# Allegro board C000PD020-3399PRO-DMEB-A-A01.brd (continued)
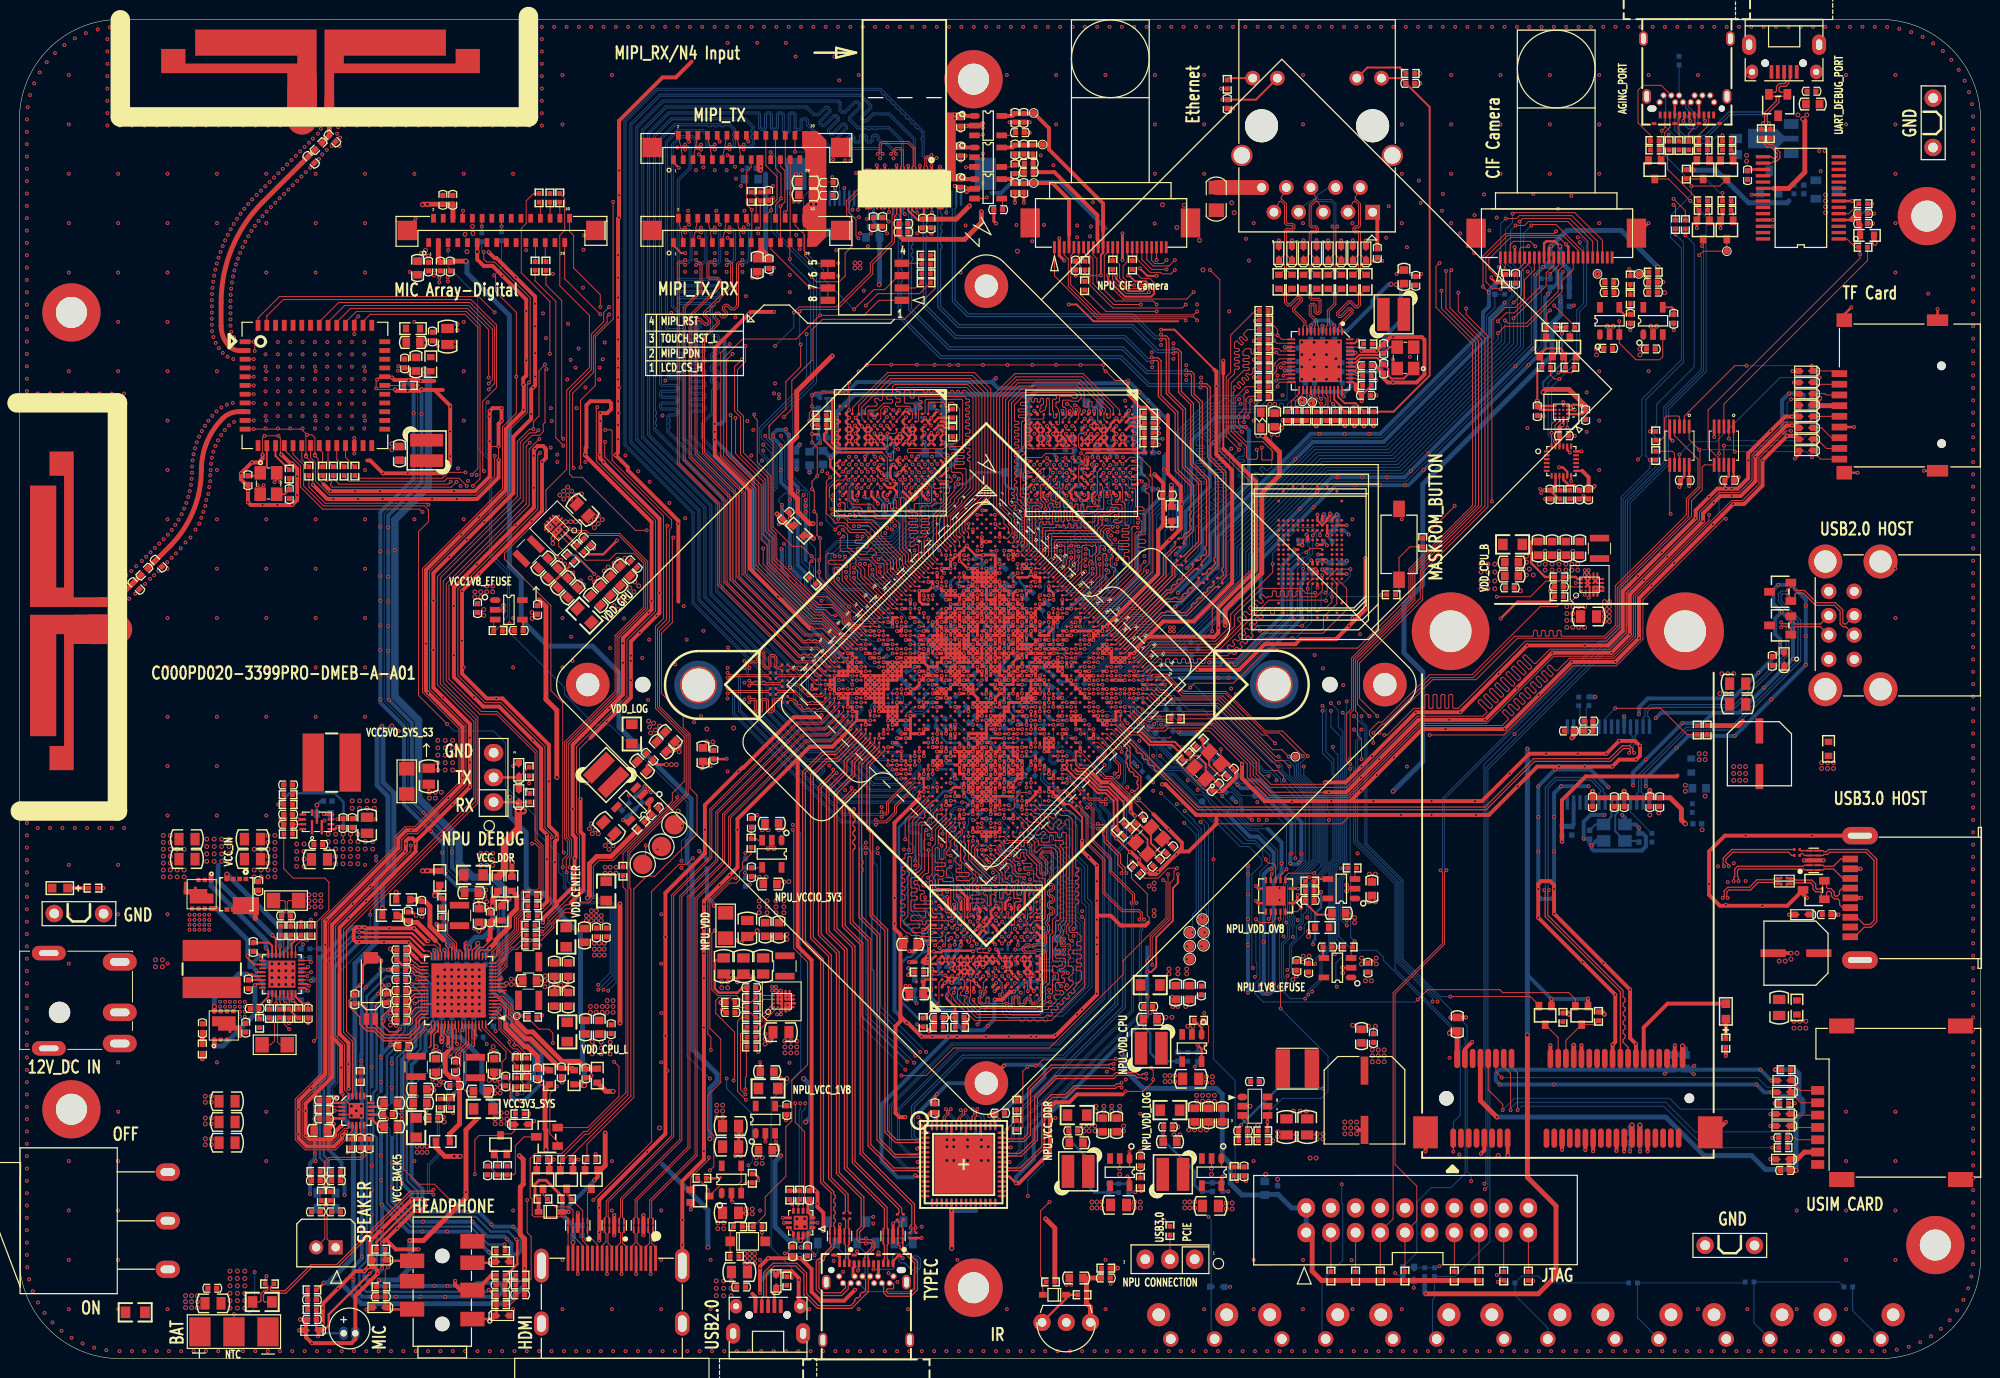
[diagram p0: board, top side]
## Placement (name value [footprint] x y rotation side) (continued)
C2201  22uF  [C0603]  159.13 83.37 270 top
C2202  22uF  [C0603]  156.29 83.37 270 top
C2203  10uF  [C0805]  57.94 87.34 315 top
C2204  22uF  [C0603]  55.91 79.83 45 top
C2205  22uF  [C0603]  56.92 78.82 45 top
C2206  100nF  [C0402]  158.42 79.41 180 top
C2207  22uF  [C0603]  157.71 83.37 270 top
C2208  22uF  [C0603]  160.55 83.37 270 top
C2209  100nF  [C0402]  58.43 84.07 315 top
C2210  22uF  [C0603]  54.91 80.84 45 top
C2211  22uF  [C0603]  53.9 81.84 45 top
C2212  10uF  [C0805]  120.53 28.79 0 top
C2213  22pF  [C0402]  119.2 31.05 90 bottom
C2214  22uF  [C0603]  116.36 34.91 0 top
C2215  100nF  [C0402]  116.15 36.23 0 top
C2216  22uF  [C0603]  120.4 37.68 270 top
C2217  10uF  [C0603]  118.98 37.68 270 top
C2218  10uF  [C0805]  122.56 15.71 0 top
C2219  22pF  [C0402]  122.76 17.64 90 bottom
C2220  22uF  [C0603]  118.39 22.31 0 top
C2221  100nF  [C0402]  118.19 23.84 0 top
C2222  22uF  [C0603]  120.93 25.06 270 top
C2223  10uF  [C0603]  122.35 25.06 270 top
C2226  4.7uF  [C0603]  139.17 48.35 90 top
C2227  22pF  [C0402]  132.78 47.15 0 top
C2228  10uF  [C0805]  113.11 15.81 0 top
C2229  22pF  [C0402]  112.09 17.54 90 bottom
C2230  22uF  [C0603]  108.74 22.21 0 top
C2231  100nF  [C0402]  108.43 23.43 0 top
C2232  22uF  [C0603]  111.48 24.04 270 top
C2233  10uF  [C0603]  112.9 24.04 270 top
C2234  4.7uF  [C0603]  135.76 45.83 0 top
C2237  10uF  [C0805]  78.36 33.59 180 top
C2238  47uF  [C0805]  74.5 40.4 270 top
C2239  47uF  [C0805]  74.9 44.26 270 top
C2240  4.7uF  [C0603]  76.76 21.45 0 top
C2242  4.7uF  [C0603]  77.42 55.08 180 top
C2243  4.7uF  [C0603]  77.24 48.83 180 top
C2248  100nF  [C0402]  75.31 50.05 270 top
C2249  47uF  [C0805]  76.53 40.4 270 top
C2250  47uF  [C0805]  72.47 40.4 270 top
C2256  100nF  [C0402]  78.97 25.56 270 top
C2257  4.7uF  [C0603]  76.94 29.53 180 top
C2260  100nF  [C0402]  158.42 80.43 180 bottom
C2261  100nF  [C0402]  56.72 82.36 315 bottom
C2270  10uF  [C0805]  60.66 54.6 315 top
C2271  22pF  [C0402]  62.31 56.11 315 bottom
C2273  22uF  [C0603]  64.07 60.96 315 top
C2274  100nF  [C0402]  64.85 61.94 315 top
C2275  22uF  [C0603]  66.08 62.97 315 top
C2276  10uF  [C0603]  66.94 63.97 315 top
C2277  100nF  [C0402]  65.4 56.32 45 top
C2278  100nF  [C0402]  75.31 38.16 180 top
C2279  100nF  [C0402]  73.18 35.62 0 top
C2280  100nF  [C0402]  126.01 19.26 270 top
C2281  100nF  [C0402]  115.34 20.28 90 top
C2282  100nF  [C0402]  75.31 55.13 90 top
C2500  10uF  [C0805]  181.08 36.13 270 top
C2501  100nF  [C0402]  185.95 45.68 0 top
C2506  100nF  [C0201]  182.91 51.78 0 top
C2507  100nF  [C0201]  182.91 52.39 0 top
C2510  47uF  [E_C6]  182.8 41.72 90 top
C2600  100nF  [C0201]  89.64 67.63 45 bottom
C2601  100nF  [C0201]  89.13 68.13 45 bottom
C2602  100nF  [C0201]  85.46 14.68 270 top
C2603  100nF  [C0201]  84.83 14.68 270 top
C2604  100nF  [C0201]  90.96 14.56 270 top
C2605  100nF  [C0201]  90.33 14.56 270 top
C2606  220pF  [C0402]  79.58 11.03 270 top
C2607  220pF  [C0402]  81.1 11.03 270 top
C2608  1uF  [C0402]  81.31 16.83 90 top
C2609  100nF  [C0402]  90.86 64.88 45 bottom
C2610  10uF  [C0805]  74.09 8.9 180 top
C2611  100nF  [C0402]  74.26 7.36 180 top
C2612  10uF  [C0805]  73.18 21.8 0 bottom
C2613  22uF  [C0805]  73.18 23.94 0 top
C2614  22uF  [C0805]  73.18 21.8 0 top
C2615  4.7uF  [C0805]  73.18 15 0 top
C2800  100nF  [C0402]  180.37 71.79 90 top
C2801  10uF  [C0805]  176.81 69.45 180 top
C2802  47uF  [E_C6]  179.04 62.24 180 top
C2803  1uF  [C0402]  159.74 54.32 270 bottom
C2804  100nF  [C0402]  159.44 64.58 180 top
C2805  100nF  [C0402]  161.47 65.59 180 top
C2806  1uF  [C0402]  161.87 57.26 270 top
C2807  100nF  [C0402]  165.13 57.26 270 top
C2808  100nF  [C0402]  168.78 57.26 270 top
C2809  100nF  [C0402]  167.77 57.26 270 top
C2810  100nF  [C0402]  164.11 57.26 270 top
C2814  18pF  [C0402]  166.65 53.6 90 bottom
C2815  18pF  [C0402]  161.57 53.91 270 bottom
C2816  10uF  [C0805]  176.81 67.32 180 top
C2817  100nF  [C0402]  172.64 55.03 0 bottom
C2818  10uF  [C0603]  172.85 58.68 0 bottom
C3100  10uF  [C0603]  106.81 42.52 270 bottom
C3101  1uF  [C0402]  96 41.97 180 bottom
C3102  100nF  [C0201]  95.02 40.28 180 bottom
C3103  100nF  [C0201]  99.75 40.42 270 bottom
C3104  100nF  [C0201]  106.6 38.97 0 bottom
C3105  100nF  [C0201]  102.24 40.49 180 bottom
C3106  100nF  [C0201]  100.44 47.46 90 bottom
C3107  1nF  [C0201]  101.42 42.11 180 bottom
C3108  10uF  [C0603]  92.28 37.54 180 top
C3109  100nF  [C0201]  104.78 38.35 270 bottom
C3110  100nF  [C0201]  106.6 39.93 0 bottom
C3111  100nF  [C0201]  92.58 40.79 180 top
C3112  100nF  [C0201]  92.58 38.76 180 top
C3113  100nF  [C0402]  94.62 35.1 0 top
C3114  100nF  [C0402]  92.58 38.96 0 bottom
C3115  100nF  [C0402]  96.75 35.1 0 top
C3116  1nF  [C0201]  97.11 38.62 180 bottom
C3117  100nF  [C0402]  92.58 37.03 180 bottom
C3118  1nF  [C0201]  99.7 43.54 270 bottom
C3119  10uF  [C0603]  91.67 42.62 180 top
C3120  1uF  [C0402]  96.6 48.03 90 bottom
C3121  100nF  [C0201]  104.06 42.33 180 bottom
C3122  100nF  [C0201]  95.02 47.92 90 bottom
C3123  100nF  [C0201]  93.19 46.48 90 bottom
C3124  100nF  [C0201]  103.91 47.45 270 bottom
C3125  100nF  [C0201]  98.3 39.99 180 bottom
C3126  1nF  [C0201]  98.58 47.6 90 bottom
C3127  100pF  [C0201]  99.09 35.93 180 bottom
C3600  10uF  [C0603]  110.46 98.35 180 bottom
C3601  1uF  [C0402]  107.92 94.59 180 bottom
C3602  100nF  [C0201]  110.93 96.48 0 bottom
C3603  100nF  [C0201]  112.09 94.49 180 bottom
C3604  100nF  [C0201]  105.28 94.69 180 bottom
C3605  100nF  [C0201]  112.09 95.51 180 bottom
C3606  100nF  [C0201]  107.96 97.02 0 bottom
C3607  1nF  [C0201]  89.94 87.77 270 bottom
C3608  10uF  [C0603]  82.68 92.72 270 bottom
C3609  100nF  [C0201]  116.05 90.89 0 bottom
C3610  100nF  [C0201]  114.1 94.65 270 bottom
C3611  100nF  [C0201]  114.07 96.68 90 bottom
C3612  100nF  [C0201]  104.57 93.68 0 bottom
C3613  10uF  [C0603]  93.19 98.05 0 bottom
C3614  1uF  [C0402]  87.27 97.41 180 bottom
C3615  100nF  [C0201]  92.51 96.84 0 bottom
C3616  100nF  [C0201]  91.24 95.37 0 bottom
C3617  100nF  [C0201]  89.99 93.56 270 bottom
C3618  100nF  [C0201]  92.54 94.63 180 bottom
C3619  100nF  [C0201]  86.69 94.8 0 bottom
C3620  1nF  [C0201]  109.34 87.42 270 bottom
C3621  10uF  [C0603]  102.1 91.19 180 bottom
C3622  100nF  [C0201]  94.82 95.57 180 bottom
C3623  100nF  [C0201]  94.82 96.2 180 bottom
C3624  100nF  [C0201]  95.82 92.25 90 bottom
C3625  100nF  [C0201]  84.76 93.58 0 bottom
C3626  10uF  [C0603]  93.9 93.17 0 bottom
C3627  1uF  [C0402]  88.98 87.27 270 bottom
C3628  100nF  [C0201]  108.94 90.69 180 bottom
C3629  100nF  [C0201]  87.39 88.22 270 bottom
C3630  100nF  [C0201]  92.08 88.66 90 bottom
C3631  100nF  [C0201]  89.66 92.28 90 bottom
C3632  100nF  [C0201]  102.86 89.5 180 bottom
C3633  1nF  [C0201]  96.05 89.66 0 bottom
C3634  10uF  [C0603]  111.57 93.59 180 bottom
C3635  1uF  [C0402]  108.1 93.51 180 bottom
C3636  100nF  [C0201]  108.56 91.93 270 bottom
C3637  100nF  [C0201]  109.2 91.93 270 bottom
C3638  100nF  [C0201]  87.59 93.23 0 bottom
C3639  100nF  [C0201]  111.14 87.97 90 bottom
C3640  100nF  [C0201]  88.93 92.31 270 bottom
C3641  1nF  [C0201]  106.5 93.33 90 bottom
C3642  100nF  [C0402]  116.21 93.22 180 bottom
C3643  100nF  [C0402]  82.68 94.75 0 bottom
C3644  100nF  [C0402]  116.21 96.27 0 bottom
C3645  1nF  [C0402]  116.21 97.29 0 bottom
C3646  1nF  [C0201]  109.25 95.55 90 bottom
C3647  1nF  [C0402]  108.94 89.37 270 bottom
C3648  1nF  [C0201]  116.21 93.22 0 top
C3649  100nF  [C0402]  82.68 97.8 180 bottom
C3650  1nF  [C0402]  89.23 94.24 270 bottom
C3651  1nF  [C0201]  82.68 98.81 180 bottom
C3652  1nF  [C0402]  89.76 90.99 0 bottom
C3653  1nF  [C0201]  82.52 95.1 180 top
C4100  2.2uF  [C0402]  135.46 80.86 0 bottom
C4101  4.7uF  [C0402]  134.54 86.24 0 bottom
C4102  100nF  [C0402]  132.61 80.76 180 bottom
C4103  100nF  [C0402]  135.66 85.2 0 bottom
C4104  4.7uF  [C0402]  135.46 81.87 0 bottom
C4105  100nF  [C0402]  132.11 84.21 0 bottom
C4600  8pF  [C0402]  77.09 119.64 270 top
C4601  4.7uF  [C0402]  90.96 115.94 0 top
C4602  100nF  [C0402]  90.96 116.8 0 top
C4603  4.7uF  [C0402]  93.8 116.8 270 top
C4604  100nF  [C0402]  92.94 116.8 270 top
C4605  4.7uF  [C0402]  88.82 116.95 270 top
C4606  100nF  [C0402]  87.86 116.95 270 top
C4700  DNP  [C0402]  151.82 109.97 90 bottom
C4701  DNP  [C0402]  157.51 110.68 270 bottom
C4702  100nF  [C0402]  153.95 111.11 270 top
C4703  4.7uF  [C0402]  168.1 110.77 0 top
C4704  100nF  [C0402]  168.1 109.74 0 top
C4705  100nF  [C0402]  157.51 113.24 270 bottom
C4706  4.7uF  [C0402]  167.87 103.9 0 top
C4707  4.7uF  [C0402]  163.6 110.7 0 top
C4708  100nF  [C0402]  163.63 109.71 0 top
C4709  4.7uF  [C0402]  159.03 108.28 0 bottom
C4710  100nF  [C0402]  159.03 110.29 180 bottom
C4711  1uF  [C0402]  159.03 111.32 180 bottom
C4720  100nF  [C0402]  170.23 107 270 top
C4721  4.7uF  [C0402]  163.48 103.96 0 top
C4723  100nF  [C0402]  165.76 107 270 top
C4802  100nF  [C0402]  108.69 112.48 270 top
C4803  4.7uF  [C0402]  103.35 127.67 270 top
C4804  100nF  [C0402]  102.44 127.67 270 top
C4806  4.7uF  [C0402]  96.85 127.26 270 top
C4807  4.7uF  [C0402]  103.35 120.46 270 top
C4808  100nF  [C0402]  102.44 120.46 270 top
C4809  4.7uF  [C0402]  102.44 124.42 270 top
C4810  100nF  [C0402]  103.86 122.08 180 top
C4811  1uF  [C0402]  103.86 123 180 top
C4820  100nF  [C0402]  102.95 126.15 0 top
C4821  4.7uF  [C0402]  96.85 120.97 270 top
C4823  100nF  [C0402]  100.71 118.22 180 top
C4845  4.7uF  [C0402]  96.85 124.22 270 top
C4846  100nF  [C0402]  102.44 122.39 270 top
C4847  4.7uF  [C0402]  103.35 124.42 270 top
C5000  100nF  [C0201]  119.1 84.19 45 top
C5001  100nF  [C0201]  119.61 83.68 45 top
C5002  10uF  [C0603]  87.81 115.38 180 bottom
C5003  100nF  [C0402]  87.91 116.5 180 bottom
C5004  10uF  [C0603]  82.63 115.89 180 bottom
C5005  100nF  [C0402]  82.22 117.1 180 bottom
C5100  10uF  [C0603]  80.9 121.07 180 top
C5101  100nF  [C0402]  83.29 121.02 0 top
C5102  10uF  [C0603]  75.31 121.37 180 bottom
C5103  100nF  [C0402]  75.36 122.49 180 bottom
C5104  10uF  [C0603]  80.9 119.75 180 top
C5105  100nF  [C0402]  83.29 119.7 0 top
C5106  10uF  [C0603]  75.92 112.53 270 top
C5107  100nF  [C0402]  77.14 112.63 270 top
C6100  10pF  [C0402]  12.86 80.97 225 top
C6101  DNP  [C0402]  14.32 81.8 315 top
C6102  DNP  [C0402]  12.02 79.5 315 top
C6103  10pF  [C0402]  30.79 124.76 45 top
C6104  DNP  [C0402]  30.01 123.35 315 top
C6105  DNP  [C0402]  32.2 125.54 315 top
C6106  8pF  [C0402]  23.52 90.39 270 top
C6107  8pF  [C0402]  27.76 88.96 270 top
C6108  4.7uF  [C0603]  39.11 93.15 90 top
C6109  4.7uF  [C0603]  40.5 104.57 0 top
C6110  10uF  [C0805]  44.05 105.18 270 top
C6111  100nF  [C0402]  42.49 105.18 270 top
C6112  4.7uF  [C0603]  40.8 102.32 270 top
C6113  100nF  [C0402]  39.64 102.4 270 top
C6500  12pF  [C0402]  140.39 101.86 270 top
C6501  12pF  [C0402]  140.39 103.9 90 top
C6502  10nF  [C0402]  139.73 113.75 270 top
C6503  102/2KV  [C1206]  123.16 119.34 270 top
C6504  100pF  [C0402]  124.28 129.09 270 top
C6505  100pF  [C0402]  143.12 131.23 0 top
C6506  100nF  [C0402]  138.56 99.12 0 top
C6507  100nF  [C0402]  138.66 102.17 0 top
C6508  10uF  [C0603]  129.16 96.58 270 top
C6509  100nF  [C0402]  134.09 105.32 270 bottom
C6510  100nF  [C0402]  131.14 104 0 bottom
C6511  100nF  [C0402]  131.14 101.66 0 bottom
C6512  10nF  [C0402]  132.31 99.93 90 bottom
C6513  10uF  [C0603]  142.47 111.31 90 top
C6514  100nF  [C0402]  143.69 110.91 90 top
C6515  100nF  [C0402]  136.12 99.93 90 bottom
C6516  100nF  [C0402]  133.27 99.93 90 bottom
C6517  100nF  [C0402]  132.87 105.32 270 bottom
C6518  100nF  [C0402]  135.31 105.32 270 bottom
C6519  100nF  [C0402]  136.53 101.56 180 bottom
C6520  DNP  [C0402]  131.14 102.58 0 bottom
C6521  10uF  [C0603]  136.22 103.59 180 bottom
C6522  100nF  [C0402]  136.53 102.47 180 bottom
C7000  10nF  [C0402]  51.52 6.56 0 top
C7001  1uF  [C0402]  49.5 7.58 180 top
C7002  100nF  [C0402]  37.19 6.36 180 top
C7003  1uF  [C0402]  30.1 6.06 0 top
C7004  680pF  [C0402]  32.58 15.1 0 top
C7005  220pF  [C0402]  30.1 4.02 180 top
C7006  680pF  [C0402]  30.5 15.1 180 top
C7500  10uF  [C0603]  40.97 112.23 270 top
C7501  100nF  [C0402]  42.09 112.37 270 top
C7502  4.7uF  [C0402]  44.59 119.24 270 top
C7503  4.7uF  [C0402]  43.31 112.37 90 top
C7504  100nF  [C0402]  43.57 119.24 90 top
C7505  100nF  [C0402]  44.32 112.37 270 top
C7506  100nF  [C0402]  103.96 67.32 45 bottom
C7507  100nF  [C0402]  103.25 65.7 225 bottom
C7510  100nF  [C0402]  31.33 24.66 180 top
C7511  100nF  [C0402]  31.33 26.59 180 top
C7512  100nF  [C0402]  37.92 25.11 0 top
C7513  10uF  [C0603]  31.03 23.47 180 top
C7514  100nF  [C0402]  35.07 22.14 270 top
C7515  100nF  [C0402]  35.98 22.14 270 top
C7516  10uF  [C0603]  38.23 23.86 0 top
C7517  10uF  [C0603]  38.23 26.3 0 top
C7518  1nF  [C0402]  30.5 18.31 180 top
C7519  1nF  [C0402]  32.58 18.31 180 top
C8200  100nF  [C0402]  57.43 12.66 0 bottom
C8201  1uF  [C0402]  57.43 13.68 0 bottom
C8302  22uF  [C0603]  171.42 30.54 270 bottom
C8303  22uF  [C0603]  170 30.54 270 bottom
C8304  10uF  [C0603]  147.96 34.4 90 top
C8305  100nF  [C0402]  166.75 22.72 270 bottom
C8306  100nF  [C0402]  165.74 22.72 270 bottom
C8307  100nF  [C0402]  127.13 28.51 0 top
C8308  22uF  [C0805]  130.38 23.84 270 top
C8309  22uF  [C0805]  132.51 23.84 270 top
C8310  22pF  [C0402]  125.91 23.43 0 top
C8311  120uF  [E_E7]  138.4 26.58 270 top
C8312  10uF  [C0603]  138.1 33.18 90 top
C8313  100nF  [C0402]  139.32 32.98 90 top
C8314  1uF  [C0402]  181.69 19.37 180 top
C8315  100nF  [C0402]  181.48 22.72 180 top
C9000  100nF  [C0402]  156.18 97.5 270 top
C9001  10nF  [C0402]  161.47 88.91 270 top
C9002  1uF  [C0402]  157.51 88.91 270 top
C9003  100nF  [C0402]  158.92 94.96 0 top
C9004  100nF  [C0402]  160.53 88.91 270 top
C9005  100nF  [C0402]  161.16 97.09 270 top
C9020  100nF  [C0402]  111.79 8.29 0 top
C9021  10uF  [C0603]  108.74 8.29 180 top
C9100  100nF  [C0402]  183.97 99.1 180 bottom
C9101  10uF  [C0603]  183.72 97.9 180 bottom
C9600  1uF  [C0402]  53.31 77.05 270 top
C9601  100nF  [C0402]  47.14 77.23 270 top
C9602  DNP  [C0402]  51.38 74.92 180 top
C9603  4.7uF  [C0402]  138.76 40.22 90 top
C9604  4.7uF  [C0402]  131.45 40.4 90 top
C9605  100nF  [C0402]  132.66 40.22 90 top
C9606  100nF  [C0402]  134.59 42.35 0 top
C9700  1uF  [C0402]  189.71 116.8 0 top
C9701  100nF  [C0402]  189.71 117.82 0 top
C9702  10uF  [C0603]  184.53 129.09 0 top
C9703  100nF  [C0402]  184.4 130.41 0 top
C9704  100nF  [C0402]  177.83 121.78 270 top
C9707  10uF  [C0805]  176.61 124.72 90 bottom
C9708  100nF  [C0402]  175.94 90.38 180 top
C9709  1uF  [C0402]  183.62 120.3 270 bottom
C9710  100nF  [C0402]  171.37 90.38 180 top
C9730  100nF  [C0402]  129.46 17.33 90 bottom
C9731  10uF  [C0603]  128.14 17.54 90 bottom
C9926  100nF  [C0201]  99.49 63.76 135 bottom
C9927  100nF  [C0201]  107.11 63.56 45 bottom
C9928  100nF  [C0201]  107.52 63.16 45 bottom
C9929  100nF  [C0201]  109.04 61.83 315 bottom
C9930  100nF  [C0201]  108.64 61.43 315 bottom
C9931  100nF  [C0201]  109.75 58.28 315 top
C9932  100nF  [C0201]  109.35 57.87 315 top
C9933  100nF  [C0201]  95.81 62.6 90 bottom
C9934  100nF  [C0201]  95.38 60.92 270 bottom
C9939  100nF  [C0402]  100.91 25.26 0 top
C9940  100nF  [C0402]  94.21 25.77 90 top
C9941  100nF  [C0402]  100.91 25.26 0 bottom
C9942  100nF  [C0402]  94.21 25.77 90 bottom
C9943  100nF  [C0201]  101.63 59.7 45 bottom
D2100  BAT54C  [SOT_23]  54.28 22.82 90 top
D6500  ESD5471X  [ESD0402]  138.55 113.75 90 top
D6501  ESD5471X  [ESD0402]  137.2 113.75 90 top
D6502  ESD5471X  [ESD0402]  136.01 113.75 90 top
D6503  ESD5471X  [ESD0402]  134.66 113.75 90 top
D6504  ESD5471X  [ESD0402]  133.47 113.75 90 top
D6505  ESD5471X  [ESD0402]  132.12 113.75 90 top
D6506  ESD5471X  [ESD0402]  130.93 113.75 90 top
D6507  ESD5471X  [ESD0402]  129.58 113.75 90 top
D8200  B5819WS  [SOD_323]  54.62 15.1 180 top
D8901  BZT52C5V1  [SOD_123]  74.93 12.06 180 top
D9000  B5819WS  [SOD_323]  106.5 6.56 0 top
D9100  ESD5451N  [ESD0402]  183.82 98.11 180 top
ED1300  ESD5451N  [ESD0402]  51.38 57.9 90 top
ED1301  ESD5451N  [ESD0402]  51.38 60.59 90 top
ED1500  ESD5451N  [ESD0402]  143.48 8.7 270 bottom
ED2100  ESD5451N  [ESD0402]  51.62 24.11 0 top
ED2101  ESD5451N  [ESD0402]  123.27 7.38 0 bottom
ED2500  ESD5451N  [ESD0402]  183.41 45.68 180 top
ED2501  ESD5302F  [SOT_23]  184.63 48.22 90 top
ED2600  ESD5451N  [ESD0402]  77.85 7.99 90 top
ED2800  ESD5302F  [SOT_23]  181.18 78.9 90 top
ED2801  ESD5302F  [SOT_23]  181.18 75.45 90 top
ED2802  ESD5451N  [ESD0402]  181.58 71.99 90 top
ED7000  ESD5451N  [ESD0402]  37.01 10.14 180 top
ED7001  ESD5451N  [ESD0402]  49.71 9.98 0 top
ED7002  ESD5451N  [ESD0402]  37.01 5.24 180 top
ED7003  ESD5451N  [ESD0402]  49.71 4.43 0 top
ED7004  ESD5451N  [ESD0402]  30.1 2.91 180 top
ED8300  ESD5451N  [ESD0402]  181.45 20.51 180 top
ED8301  ESD5341N  [ESD0402]  181.48 23.94 180 top
ED8302  ESD5341N  [ESD0402]  181.55 27.4 180 top
ED8303  ESD5341N  [ESD0402]  181.48 25.16 180 top
ED8304  ESD5451N  [ESD0402]  181.58 28.61 180 top
ED9100  ESD5471X  [ESD0402]  183.82 93.43 180 top
ED9101  ESD5341N  [ESD0402]  183.82 94.6 180 top
ED9102  ESD5341N  [ESD0402]  183.82 95.77 180 top
ED9103  ESD5341N  [ESD0402]  183.82 96.94 180 top
ED9104  ESD5341N  [ESD0402]  183.82 99.27 180 top
ED9105  ESD5341N  [ESD0402]  183.82 100.44 180 top
ED9106  ESD5341N  [ESD0402]  183.82 101.61 180 top
FB1400  1R  [R0402]  70.74 50.86 270 bottom
FB2100  180R-100M  [L0603]  32.54 16.24 270 bottom
FB2101  180R-100M  [L0603]  30.64 16.24 270 bottom
FB2500  90R-100M  [RP2_0504]  181.58 49.13 0 top
FB2800  120R-100M  [L0402]  161.47 64.58 0 top
FB2801  120R-100M  [L0402]  172.14 56.65 90 bottom
GND001  GND_GATE  [CON2_1X2_5R08_DIP]  8.66 45.78 180 top
GND002  GND_GATE  [CON2_1X2_5R08_DIP]  178.54 11.64 180 top
GND003  GND_GATE  [CON2_1X2_5R08_DIP]  196.93 129.7 270 top
H1  HOLE_3R20  [HOLE_C3R20_C6R00]  98.18 7.29 0 top
H2  HOLE_3R20  [HOLE_C3R20_C6R00]  5.35 107.65 0 top
H3  HOLE_3R20  [HOLE_C3R20_C6R00]  196.27 117.56 0 top
H4  HOLE_3R20  [HOLE_C3R20_C6R00]  5.35 25.65 0 top
H5  HOLE_3R20  [HOLE_C3R20_C6R00]  197.15 11.68 0 top
H6  HOLE_3R20  [HOLE_C3R20_C6R00]  98.18 131.65 0 top
J001  Radiator_38x38  [RADIATOR_38R00X38R00X10R00]  99.49 69.35 135 top
J1300  CON3M_1X3_2R54_V  [CON3M_1X3_2R54_V_DIP]  48.79 57.26 90 top
J2000  DC-0007-5P  [DC3_DC_0007_5P]  0.03 35.62 0 top
J2501  USB30_A  [USB30A9_USB30_A]  188.39 47.41 90 top
J2600  -  [USB_TYPEC_115H0]  87.14 -0.09 0 top
J2601  USB20_micro  [USB20MICRO5_MU05_10MGF_T]  77.04 2.8 90 top
J2800  USB_HOST  [UB1112C-8FDH-4F]  188.8 75.45 90 top
J4600  AXT530124  [CON30M_2X15_0R40_V_SMT]  91.06 120.36 0 top
J4700  OV2659  [FPC24R_1X24_0R50_DOWN]  152.39 113.3 180 top
J4800  OV2659  [FPC24R_1X24_0R50_DOWN]  106.5 114.36 180 top
J5000  30PIN FPC CON  [FPC30R_0R50_DOWN]  96.89 119.42 0 bottom
J5100  30PIN_FPC_CON  [CNN30_1R00_FP05SL_V]  74.8 124.62 0 top
J5101  30PIN_FPC_CON  [CNN30_1R00_FP05SL_V]  74.8 116.09 0 top
J6500  HR911130C  [RJ45_HR911130C]  133.53 126.86 0 top
J7000  PJ-3536  [PJ7_PJ3536]  43.51 0.06 90 top
J7001  -  [CON2M_1X2_2R00_V_P_DIP]  32.54 11.44 180 top
J7500  30PIN_FPC_CON  [CNN30_1R00_FP05SL_V]  49.61 116.09 0 top
J8200  HDMI_A  [HDMIA19_HDMI_01A]  65.46 10.32 180 top
J8300  EM770  [MINI_PCIE]  159.33 26.78 0 top
J8301  SIM CARD  [MSIM7_07HF-135B]  185.04 19.98 90 top
J9100  TF-CKT01-009D  [TF9_CKT01_009D]  187.27 101.36 0 top
J9701  USB20_micro  [USB20MICRO5_MU05_10MGF_T]  181.58 134.99 270 top
J9702  -  [USB_TYPEC_115H0]  171.58 137.83 180 top
J9710  JTAG_AP  [JTAG_ARM]  132.41 12.96 0 top
J9711  CON3M_1X3_2R54_V  [CON3M_1X3_2R54_V_DIP]  120.93 10.22 180 top
L1100  PCMB051H-2R2MS/6A  [IND_606020]  32.13 61.33 0 top
L2002  2.2uH  [IND_606020]  19.79 40.09 90 top
L2100  470nH  [IND_252010]  52.4 40.83 0 top
L2101  470nH  [IND_252010]  46.91 29.96 270 top
L2102  470nH  [IND_252010]  52.4 36.87 0 top
L2103  470nH  [IND_252010]  45.29 45.6 90 top
L2104  470nH  [IND_252010]  40.82 30.06 90 top
L2200  0.24uH  [IND_252012]  162.59 83.37 90 top
L2201  0.24uH  [IND_252012]  52.39 83.06 225 top
L2202  3.3uH  [IND_303015]  116.46 31.93 270 top
L2203  3.3uH  [IND_303015]  118.69 18.96 270 top
L2204  3.3uH  [IND_303015]  108.94 19.26 270 top
L2205  0.24uH  [IND_252012]  78.77 40.4 90 top
L2208  3.3uH  [IND_303015]  60.37 60.06 225 top
L6100  4.7uH  [IND_303012]  41.9 93.45 180 top
L6500  180R-100M  [L0603]  127.74 96.58 90 top
L6501  2.2uH  [IND_303015]  141.4 107.45 90 top
L8300  3.3uH  [IND_404030]  131.5 29.83 0 top
LED2002  LED_GREEN  [LED0603]  4.15 48.41 180 top
LED8300  LED_BLUE  [LED0603]  175.59 35.72 90 top
MIC7000  MIC-4020  [MIC2_4020]  33.96 2.6 0 top
Q2002  SiZ340DT  [DFN9L_3R00X3R00X0R80]  18.75 47.78 270 top
Q2003  SiZ340DT  [DFN9L_3R00X3R00X0R80]  21.03 34.28 90 top
Q2004  RQ3E120AT  [HSMT8_3R30X3R30X0R90]  22.32 47.78 270 top
Q2100  WNM2021-3/TR  [SOT_323#2]  49.5 22.01 0 top
Q2600  WNM2021-3/TR  [SOT_323#2]  70.03 16.72 270 top
Q8200  2SK3018  [SOT_323#2]  56.31 18.42 180 top
Q8201  2SK3018  [SOT_323#2]  53.87 18.42 180 top
Q8202  2SK3018  [SOT_323#2]  58.85 18.42 180 top
Q8300  WNM2021-3/TR  [SOT_323#2]  160.76 35.32 180 top
Q8301  WNM2021-3/TR  [SOT_323#2]  157 35.32 180 top
Q9404  WNM2021-3/TR  [SOT_323#2]  159.54 104.1 0 top
Q9405  WNM2021-3/TR  [SOT_323#2]  157.1 104.1 0 top
Q9700  WPM3401-3/TR  [SOT_23]  180.06 121.12 180 bottom
Q9701  WPM3401-3/TR  [SOT_23]  185.95 120.3 90 bottom
Q9702  WNM2021-3/TR  [SOT_323]  173.25 122.33 180 top
Q9703  WNM2021-3/TR  [SOT_323]  168.28 122.33 180 top
Q9704  WNM2021-3/TR  [SOT_323]  175.69 122.33 180 top
Q9705  WNM2021-3/TR  [SOT_323#2]  173.25 116.14 180 top
Q9706  WNM2021-3/TR  [SOT_323#2]  175.69 116.14 180 top
R1000  100R  [R0201]  101.55 58.79 45 bottom
R1100  0R  [R0402]  118.08 63.26 315 bottom
R1101  1M  [R0402]  120.02 61.94 45 top
R1102  22R  [R0402]  121.44 63.36 225 top
R1103  100R  [R0402]  97.97 65.8 45 bottom
R1105  0R  [R0402]  116.97 66.3 135 bottom
R1106  1M  [R0402]  113.31 54.72 225 top
R1107  33R  [R0402]  113.97 54.11 225 top
R1108  0R  [R0402]  105.74 65.54 225 bottom
R1110  100K  [R0402]  118.39 64.88 135 bottom
R1120  2.2K  [R0402]  126.11 56.14 315 bottom
R1121  2.2K  [R0402]  124.49 57.97 315 bottom
R1122  100K  [R0402]  114.94 50.25 315 top
R1123  0R  [R0402]  104.22 64.02 45 bottom
R1124  0R  [R0402]  118.29 66.51 135 bottom
R1125  0R  [R0402]  119 67.22 135 bottom
R1126  0R  [R0402]  109.25 69.76 315 bottom
R1130  2.2K  [R0402]  73.18 36.64 180 top
R1131  2.2K  [R0402]  75.31 32.07 0 top
R1200  0.1R  [R0402]  97.82 80.63 225 bottom
R1201  0.1R  [R0402]  101.8 80.94 315 bottom
R1202  0.1R  [R0603]  80.19 85.2 315 top
R1203  0.1R  [R0603]  118.59 86.93 270 top
R1204  240R  [R0402]  94.62 78.9 135 bottom
R1205  240R  [R0402]  103.96 78.5 45 bottom
R1207  240R  [R0201]  102.74 58.61 315 bottom
R1225  0R  [R0402]  55.6 119.44 270 top
R1300  10K  [R0201]  108.64 71.38 225 bottom
R1307  100R  [R0402]  52.45 60.41 90 top
R1308  100R  [R0402]  52.51 57.71 270 top
R1400  133R  [R0402]  115.85 60.11 315 bottom
R1401  133R  [R0402]  114.33 61.63 315 bottom
R1402  499R  [R0402]  96.04 67.83 45 bottom
R1403  499R  [R0402]  97.05 66.81 225 bottom
R1406  2.2R  [R0201]  107.21 57.87 315 bottom
R1407  2.2R  [R0201]  107.72 58.38 315 bottom
R1410  47K  [R0402]  104.88 62.04 135 bottom
R1418  2K  [R0402]  104.17 60.31 315 bottom
R1420  0R  [R0201]  102.9 68.44 45 bottom
R1421  0R  [R0201]  102.64 66.41 315 bottom
R1422  1R  [R0201]  101.78 68.64 135 bottom
R1500  10K  [R0402]  144.6 8.9 270 bottom
R1501  100R  [R0402]  145.62 8.9 270 bottom
R1502  2K  [R0402]  153.44 7.78 0 bottom
R1503  3.3K  [R0402]  166.04 7.78 0 bottom
R1504  0R  [R0402]  81.61 80.02 135 top
R1505  6.8K  [R0402]  178.03 7.88 0 bottom
R1506  15K  [R0402]  188.19 7.38 0 bottom
R1508  10K  [R0402]  74.7 50.96 270 bottom
R1509  DNP  [R0402]  74.7 49.03 270 bottom
R1512  100K  [R0402]  101.27 66.53 45 bottom
R1513  100K  [R0402]  99.19 65.39 45 bottom
R1514  10K  [R0201]  93.9 74.66 45 bottom
R1700  4.02K  [R0402]  91.57 69.76 225 bottom
R1701  1K  [R0402]  62.1 50.15 270 top
R1702  1.62K  [R0402]  92.89 68.03 225 bottom
R1703  4.02K  [R0402]  92.18 68.74 225 bottom
R1704  4.02K  [R0402]  90.96 70.37 225 bottom
R1706  6.04K  [R0402]  105.59 77.28 45 bottom
R1708  1R  [R0201]  94.01 72.07 225 bottom
R1709  1R  [R0201]  94.92 71.18 225 bottom
R1710  1R  [R0201]  93.35 71.44 315 bottom
R1900  0R  [R0402]  120.22 73.42 45 bottom
R1901  0R  [R0402]  120.93 72.71 45 bottom
R1903  10K  [R0201]  91.97 75.25 135 bottom
R2000  0.02R  [R1206]  39.85 59.4 90 top
R2001  3.3R  [R0402]  27.65 58.02 180 top
R2002  10K  [R0402]  27.65 53.97 0 top
R2003  100K  [R0402]  27.65 57.02 0 top
R2004  0.05R  [R0603]  31.32 56.04 0 bottom
R2011  0.01R  [R1206]  26.26 32.29 180 top
R2014  10R  [R0402]  26.75 35.5 90 top
R2015  10R  [R0402]  25.73 35.5 90 top
R2019  10R  [R0402]  26.93 44.03 270 top
R2020  5.1K  [R0402]  7.57 48.41 180 top
R2022  0.01R  [R1206]  27.43 47.13 0 top
R2023  10R  [R0402]  25.53 37.65 0 bottom
R2024  100R  [R0805]  11.91 4.76 180 top
R2025  348K  [R0402]  27.97 44.05 270 bottom
R2026  10R  [R0402]  27.92 44.03 270 top
R2027  300K  [R0402]  28.73 35.5 270 top
R2028  249K  [R0402]  28.97 44.03 90 top
R2030  220K  [R0402]  27.73 35.5 90 top
R2031  33K  [R0402]  28.98 39.38 90 bottom
R2035  0.01R  [R0805]  24.98 5.83 180 top
R2037  0R  [R0402]  25.73 7.68 0 top
R2040  1R  [R0402]  24.71 34.5 90 top
R2041  10K  [R0402]  27.76 35.52 90 bottom
R2042  56R  [R0402]  18.82 31.86 90 top
R2043  100K  [R0402]  29.69 35.52 270 bottom
R2044  20K  [R0402]  30 44.05 90 top
R2045  40.2K  [R0402]  29.9 41.72 90 bottom
R2100  0.05R  [R0603]  49.25 48.85 90 top
R2101  0.05R  [R0603]  49.66 45.81 90 top
R2102  0.02R  [R0805]  56.26 43.37 270 top
R2103  0.02R  [R0805]  47.73 25.69 0 top
R2104  0.05R  [R0603]  43.26 49.46 90 top
R2105  0.05R  [R0603]  50.67 48.85 90 top
R2106  0.05R  [R0603]  39.5 47.23 180 top
R2107  0.05R  [R0603]  38.07 45.6 180 top
R2108  0.02R  [R0805]  56.36 33.61 90 top
R2109  0.02R  [R0805]  46.71 49.77 0 top
R2110  0.05R  [R0603]  54.53 28.94 270 top
R2111  0.05R  [R0603]  57.07 28.94 270 top
R2112  68K  [R0402]  43.46 46.92 90 top
R2113  0.05R  [R0603]  59.46 29.12 270 top
R2114  120K  [R0402]  43.46 44.93 270 top
R2115  0.05R  [R0603]  43.56 22.34 180 top
R2116  0.02R  [R0805]  40.82 23.76 270 top
R2117  140K  [R0402]  43.31 26.27 270 top
R2118  20K  [R0402]  44.32 26.27 270 top
R2119  2.2K  [R0402]  52.2 30.47 90 top
R2120  2.2K  [R0402]  52.2 28.43 270 top
R2121  10K  [R0402]  51.18 30.47 270 top
R2122  100K  [R0402]  47.27 33.08 180 bottom
R2123  0R  [R0402]  51.18 28.43 90 top
R2124  27K  [R0402]  46.74 34.65 90 bottom
R2125  0R  [R0402]  52.83 45.58 0 top
R2126  0R  [R0402]  52.6 44.59 0 top
R2127  0R  [R0402]  52.6 43.57 0 top
R2128  10K  [R0402]  51.49 25.18 180 top
R2130  0R  [R0402]  52.76 46.59 0 top
R2131  0R  [R0402]  52.76 47.61 0 top
R2150  100R  [R0402]  52.6 42.56 180 top
R2151  100R  [R0402]  52.81 35.14 180 top
R2155  0R  [R0805]  60.38 48.12 270 top
R2160  10K  [R0402]  49.2 19.37 270 top
R2161  100K  [R0402]  50.22 19.37 90 top
R2200  0.02R  [R0805]  153.64 83.78 180 top
R2201  10K  [R0402]  158.42 78.4 0 top
R2202  22K  [R0402]  57.71 83.35 135 top
R2203  100R  [R0402]  158.42 80.43 180 top
R2204  0.02R  [R0805]  58.14 76.46 315 top
R2205  100R  [R0402]  56.72 82.36 315 top
R2206  0.02R  [R0805]  116.36 38.44 0 top
R2207  0.02R  [R0805]  118.39 25.56 0 top
R2208  0R  [R0402]  121.34 34.81 180 top
R2209  100K  [R0402]  120.22 31.05 90 bottom
R2211  82K  [R0402]  121.74 17.64 90 bottom
R2212  240K  [R0402]  121.23 31.05 270 bottom
R2213  240K  [R0402]  123.79 17.64 270 bottom
R2214  0.05R  [R0603]  134.04 44.36 180 top
R2215  0.02R  [R0805]  108.84 25.06 0 top
R2216  0R  [R0402]  137.13 50.48 0 top
R2217  10K  [R0402]  132.78 48.14 0 top
R2218  39K  [R0402]  115.34 18.15 90 top
R2219  110K  [R0402]  113.11 17.54 90 bottom
R2220  100K  [R0402]  114.12 17.54 270 bottom
R2221  120K  [R0402]  132.78 49.13 180 top
R2222  0.001R  [R1206]  72.67 44.56 90 top
R2225  100R  [R0402]  75.31 37.15 180 top
R2227  82K  [R0402]  75.29 53.05 90 top
R2230  20K  [R0402]  124.99 19.26 90 top
R2233  39K  [R0402]  75.31 35.11 0 top
R2250  0.02R  [R0805]  77.04 27.8 0 top
R2251  0.02R  [R0805]  63.02 64.27 90 top
R2253  0R  [R0402]  75.31 34.1 0 top
R2254  0R  [R0402]  75.31 33.08 0 top
R2255  0R  [R0402]  75.31 36.13 0 top
R2270  118K  [R0402]  63.03 56.82 315 bottom
R2271  200K  [R0402]  63.75 57.54 135 bottom
R2272  27K  [R0402]  63.96 54.89 45 top
R2500  2.2R  [R0201]  181.58 48.82 0 top
R2501  0R  [R0603]  182.91 36.13 90 top
R2503  2.2R  [R0201]  181.58 49.45 0 top
R2600  100K  [R0201]  91.16 66.61 135 bottom
R2601  2.2K  [R0402]  80.29 16.83 270 top
R2602  2.2K  [R0402]  79.27 16.83 270 top
R2606  2M  [R0201]  91.64 12.68 270 top
R2607  2M  [R0201]  92.28 12.68 270 top
R2609  100K  [R0201]  91.67 67.12 135 bottom
R2611  470R  [R0402]  73.58 10.53 180 top
R2612  10K  [R0402]  73.93 13.57 0 top
R2613  20K  [R0402]  75.96 13.57 0 top
R2614  100R  [R0402]  78.97 7.99 90 top
R2615  4.7K  [R0402]  75.41 18.55 90 top
R2630  100K  [R0402]  70.23 18.55 180 top
R2800  680R  [R0402]  167.97 53.6 90 bottom
R2801  100K  [R0402]  161.5 67.64 90 bottom
R2802  10K  [R0402]  158.72 54.32 90 bottom
R2803  100K  [R0402]  160.45 67.63 90 bottom
R2805  0R  [R0603]  186.16 62.75 90 top
R2806  0R  [R0603]  172.03 61.02 270 bottom
R2807  100K  [R0402]  173.66 64.68 270 top
R2808  100K  [R0402]  172.64 64.68 90 top
R3100  240R  [R0402]  92.99 34.59 270 top
R3101  240R  [R0402]  92.58 39.78 180 top
R3102  10K  [R0402]  94.62 34.09 0 top
R3103  10K  [R0402]  92.58 39.88 0 bottom
R3104  0R  [R0402]  92.58 40.89 180 bottom
R3105  0R  [R0402]  92.58 41.91 180 bottom
R3106  10K  [R0402]  96.75 34.09 0 top
R3107  13K  [R0402]  92.58 37.95 180 bottom
R3108  49.9R  [R0201]  98.78 36.83 270 bottom
R3109  49.9R  [R0201]  99.7 36.83 270 bottom
R3110  0R  [R0402]  94.5 35.08 0 bottom
R3600  240R  [R0402]  116.21 97.29 0 top
R3601  240R  [R0402]  96.04 97.26 90 top
R3602  240R  [R0402]  116.21 96.27 0 top
R3603  240R  [R0402]  96.04 95.33 270 top
R3604  10K  [R0402]  116.21 94.24 180 bottom
R3605  768R  [R0402]  116.21 95.26 180 top
R3606  10K  [R0402]  82.68 95.76 0 bottom
R3607  768R  [R0402]  82.58 97.08 0 top
R3608  10K  [R0402]  116.21 95.26 0 bottom
R3609  1K  [R0402]  116.21 94.24 0 top
R3610  10K  [R0402]  82.68 96.78 180 bottom
R3611  1K  [R0402]  82.58 96.07 180 top
R3650  0R  [R0402]  79.98 92.82 90 bottom
R4100  22R  [R0402]  116.76 70.06 0 bottom
R4101  10K  [R0402]  134.65 84.08 180 bottom
